# Altium PCB AMDC_uAMDC_Overlay.PcbDoc (part 4 of 6)
Units mil, origin at the board's own origin, x right, y up, seen from the top; angles counter-clockwise.
Board outline 4335 x 5120 mil, 6 copper layers (Top Layer, Int1 (GND), Int2 (Sign), Int3 (Sign), Int4 (PWR), Bottom Layer), stack 55.468 mil thick; 396 components, 471 nets, 2094 pads, 683 vias.
Unrouted connection lines stored in the file: 618.
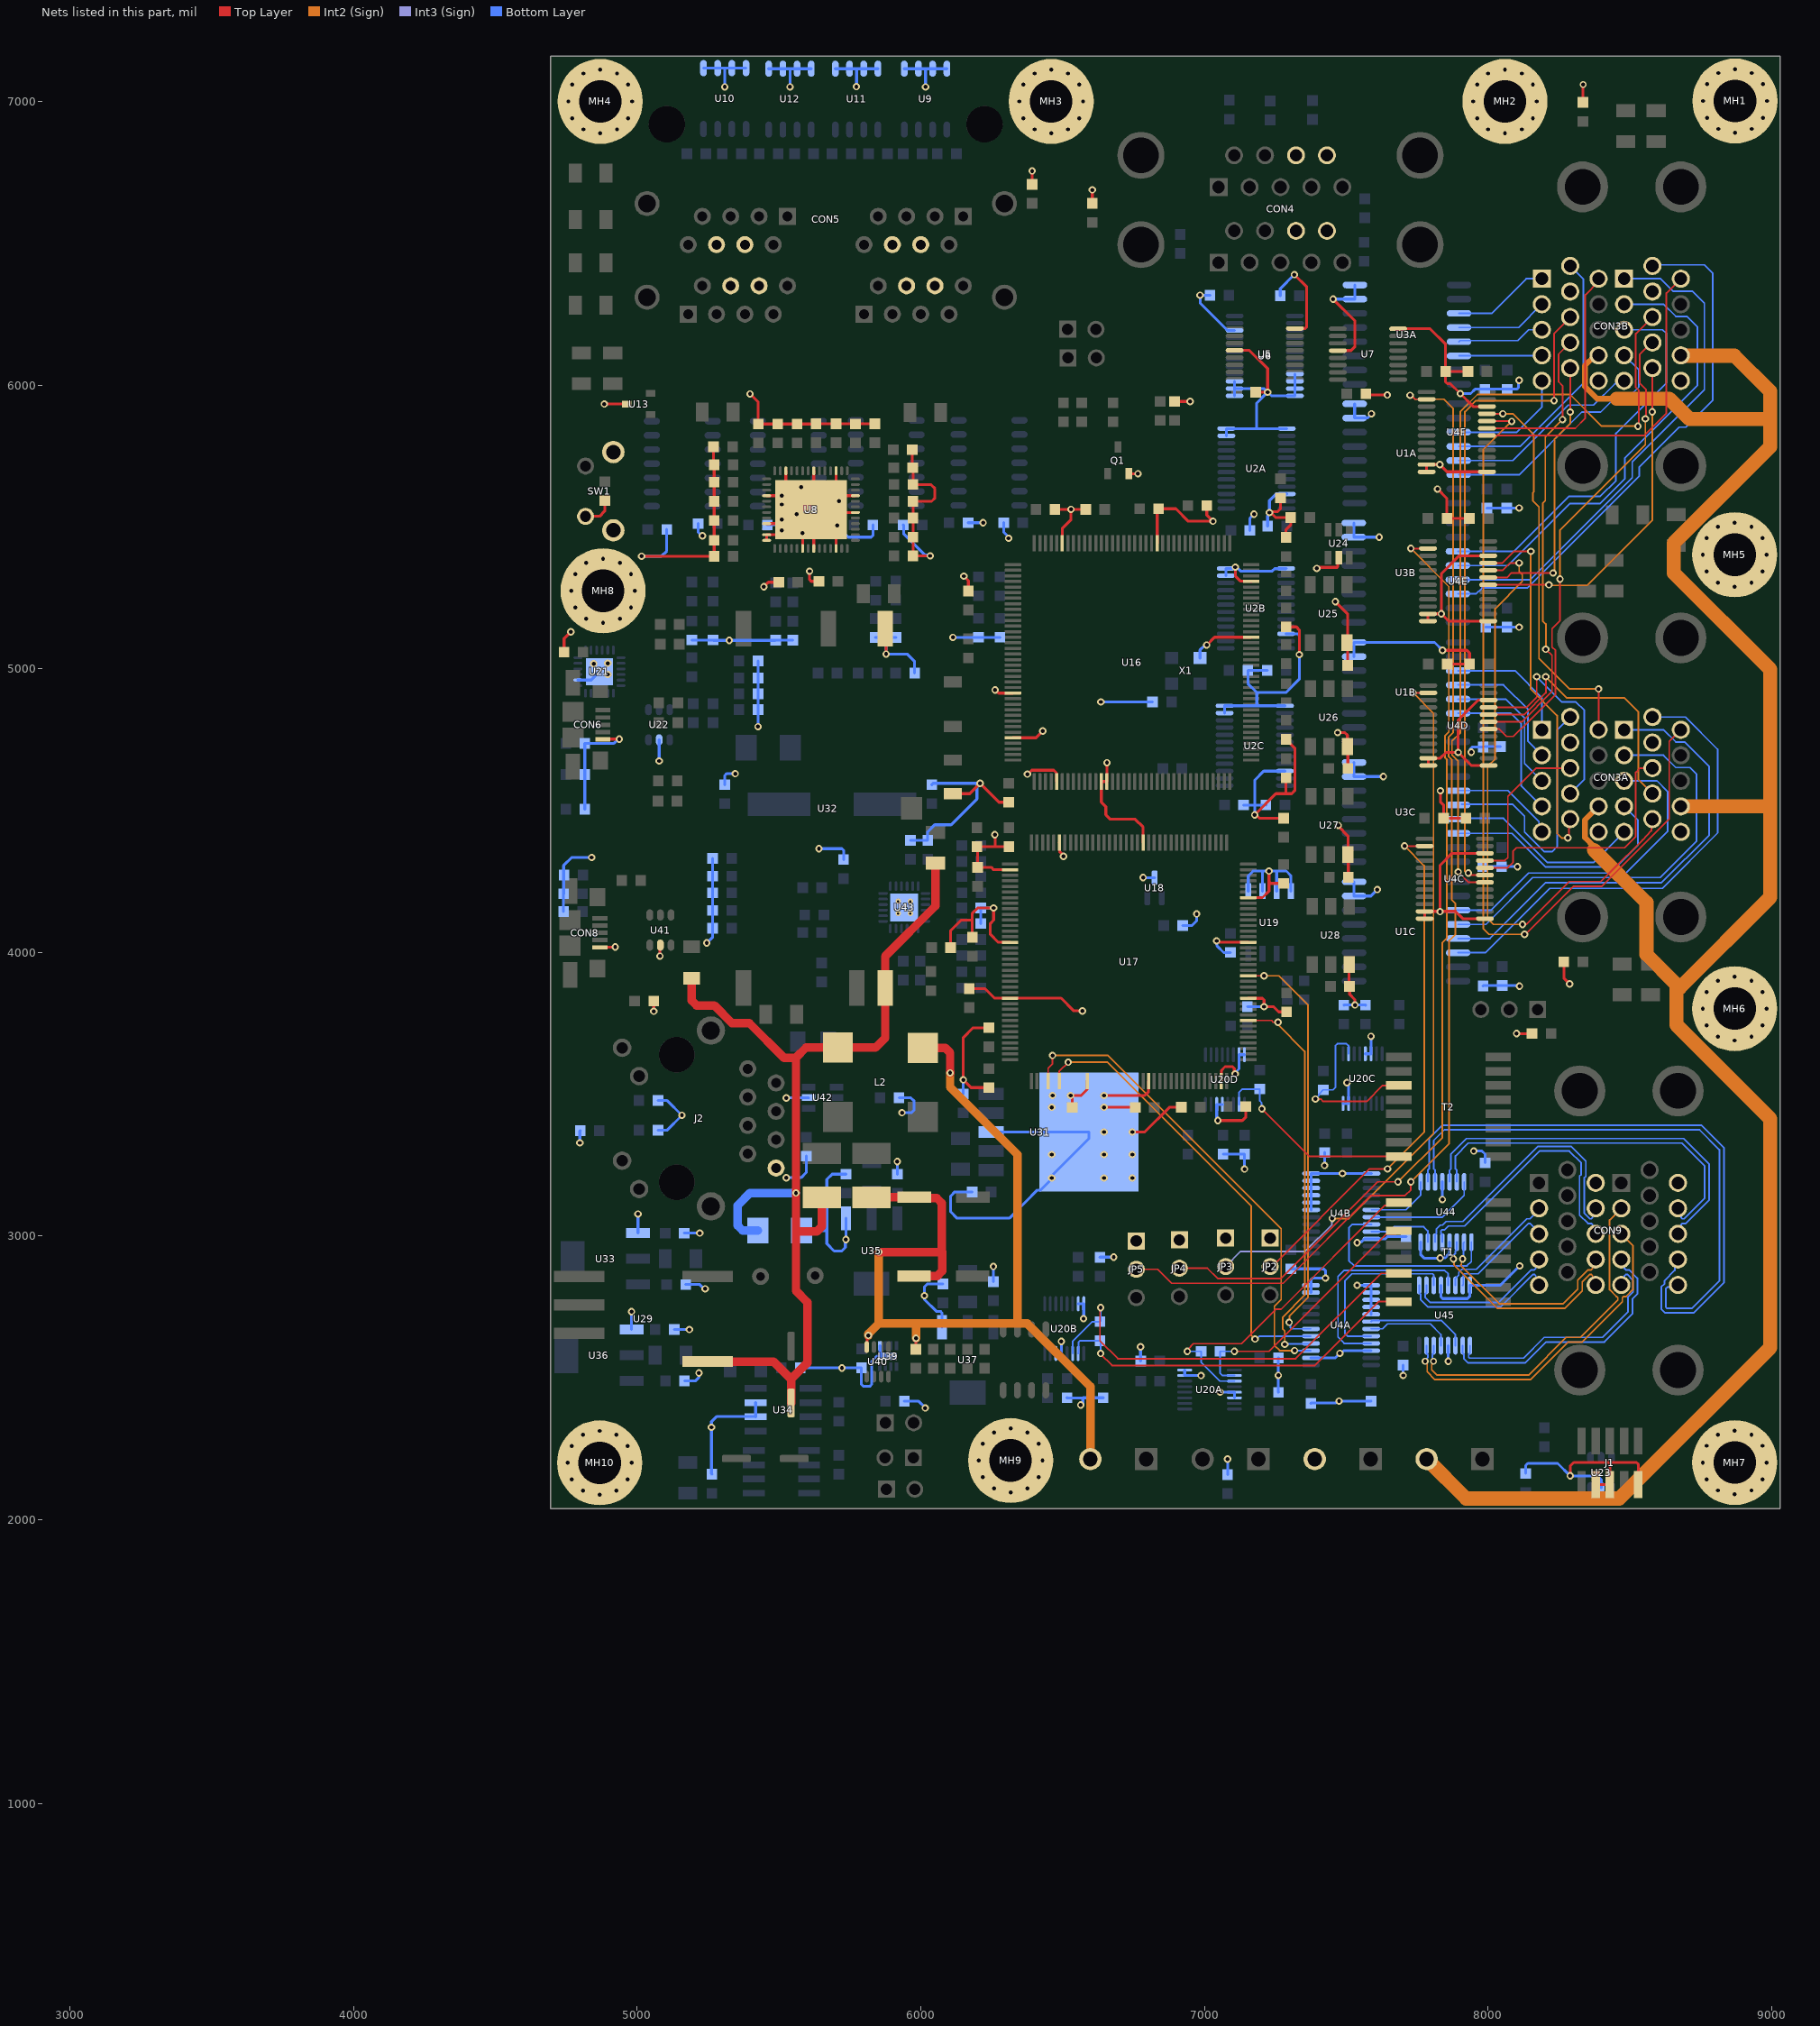
[diagram p7: the nets of this part, all layers, seen from the top]

## Via types
v1: diameter 26, hole 14, Top Layer to Bottom Layer, tented both sides, 326 vias
v2: diameter 26, hole 14, Top Layer to Bottom Layer, 288 vias
v3: diameter 24, hole 14, Top Layer to Bottom Layer, 57 vias
v4: diameter 24, hole 14, Top Layer to Bottom Layer, tented both sides, 5 vias
v5: diameter 19.68, hole 7.87, Top Layer to Bottom Layer, 4 vias
v6: diameter 60, hole 20, Top Layer to Bottom Layer, tented both sides, 3 vias

## Nets (pads, with @x,y where several pads share a name; then routed paths per layer and width w, separated by ;. In a path a pad name is that pad's centre, name@x,y a point inside that pad or via, vN(x,y) a via of type N, cw(c..) or ccw(c..) an arc to the next point about the centre after c; other vN are vias at no path point) (continued)
GND: C1A.2 C1B.2 C1C.2 C2A.2 C2B.2 C2C.2 C3A.2 C3B.2 C3C.2 C4A.1 C4B.1 C4C.1 C5A.2 C5B.2 C5C.2 C6A.2 C6B.2 C6C.2 C7A.2 C7B.2 C7C.2 C7D.2 C7E.2 C7F.2 C8A.2 C8B.2 C8C.2 C8D.2 C8E.2 C8F.2 C9.1 C10.1 C11.2 C12.2 C13.2 C14.2 C15.2 C16.2 C17.2 C18.2 C19.2 C20.2 C21.2 C22.2 C23.2 C24.2 C25.2 C26.2 C27.2 C28.2 C29.2 C30.2 C31.2 C32.2 C33.2 C34.2 C35.2 C36A.2 C36B.2 C37A.1 C37B.1 C38A.2 C38B.2 C39A.2 C39B.2 C40A.2 C40B.2 C41A.1 C41B.1 C42A.2 C42B.2 C43A.2 C43B.2 C45.2 C46.2 C48.2 C49.2 C52.2 C53.2 C54.2 C57.2 C58.2 C59.2 C68.2 C69.2 C70.2 C71.1 C72.1 C73.1 C74.1 C75.1 C76.1 C77.1 C78.1 C79.1 C80.1 C81.1 C82.1 C83.1 C96A.1 C96B.1 C96C.1 C96D.1 C97A.1 C97B.1 C97C.1 C97D.1 C98.2 C99.2 C100.2 C101.1 C102.1 C103.1 C104.1 C105.1 C106.2 C107.1 C108.1 C109.1 C110.1 C111.2 C123.2 C124.2 C125.2 C127.1 C128.2 C129.2 C131.2 C132.2 C133.2 C134.2 C135.2 C136.2 C138.1 C139.2 C140.1 C141.1 C144.2 C145.2 C146.2 C147.1 C148.1 C149.1 C150.1 C151.1 C152.2 C153.1 C154.1 C155.1 C156.1 C157.1 C158.2 C159.2 C160.2 CON2.2 CON3A.7A CON3A.7B CON3A.15A CON3A.15B CON3B.7A CON3B.7B CON3B.15A CON3B.15B CON4.8B CON4.8T CON4.9B CON4.9T CON5.4A CON5.4B CON5.4C CON5.4D CON5.6A CON5.6B CON5.6C CON5.6D CON6.5 CON8.5 CON9.11A CON9.11B J1.3 J1.5 J1.9 J2.8 JP2.1 JP3.1 JP4.1 JP5.1 LED6.C MH1.1 MH2.1 MH3.1 MH4.1 MH5.1 MH6.1 MH7.1 MH8.1 MH9.1 MH10.1 Q1.2 R1A.2 R1B.2 R16.2 R33.1 R41.2 R42.2 R49A.1 R49B.1 R49C.1 R49D.1 R52.2 R61.1 R70.1 R83.2 R93.2 R94.1 R99.1 R100.1 R102.1 R107.1 SW1.2 SW1.SH TP4.1 U1A.7 U1A.8 U1B.7 U1B.8 U1C.7 U1C.8 U2A.11 U2A.12 U2A.13 U2A.22 U2B.11 U2B.12 U2B.13 U2B.22 U2C.11 U2C.12 U2C.13 U2C.22 U3A.7 U3A.8 U3B.7 U3B.8 U3C.7 U3C.8 U4A.2 U4A.11 U4A.12 U4A.13 U4A.14 U4A.15 U4A.16 U4A.17 U4A.22 U4B.7 U4B.8 U4B.9 U4B.10 U4B.11 U4B.12 U4B.13 U4B.22 U4C.11 U4C.12 U4C.13 U4C.22 U4D.11 U4D.12 U4D.13 U4D.22 U4E.11 U4E.12 U4E.13 U4E.22 U4F.11 U4F.12 U4F.13 U4F.22 U5.8 U5.12 U6.9 U6.10 U6.11 U6.12 U6.13 U6.14 U6.15 U6.22 U7.8 U7.12 U8.3 U8.7 U8.12 U8.18 U8.23 U8.25 U8.26 U8.32 U8.34 U8.38 U8.46 U8.49 U8.53 U9.5 U9.6 U9.7 U9.8 U10.5 U10.6 U10.7 U10.8 U11.5 U11.6 U11.7 U11.8 U12.5 U12.6 U12.7 U12.8 U13.3 U16.5 U16.13 U16.14 U16.59 U16.69 U16.86 U16.103 U16.132 U16.140 U17.16 U17.31 U17.38 U17.51 U17.61 U17.83 U17.94 U17.107 U17.120 U17.130 U17.138 U18.3 U19.1 U19.2 U19.3 U19.4 U20A.7 U20A.8 U20A.13 U20A.14 U20B.7 U20B.8 U20B.13 U20B.14 U20C.7 U20C.8 U20C.13 U20C.14 U20D.7 U20D.8 U20D.13 U20D.14 U21.2 U21.25 U22.2 U23.2 U24.2 U25.6 U26.6 U27.6 U28.6 U31.3 U31.6 U32.4 U33.1 U34.2 U34.3 U35.1 U36.1 U37.1 U39.5 U39.9 U41.2 U42.2 U43.25 U44.4 U44.8 U44.12 U45.4 U45.8 U45.12 X1.2 | length 33624.1
  Top Layer w10: R52.2@4742.54,5059 4742.54,5106.33 v1(4766.2,5130) ; SW1.2@4818,5537.42 4867.42,5537.42 4886,5556 C104.1@4886,5592.54 ; CON8.5@4868.86,4017.8 4869.59,4018.54 4922.06,4018.54 v1(4922.79,4019.27) ; CON6.5@4879.31,4751.54 4879.66,4751.88 v1(4937,4751.88) v1@4937.34,4752.22 ; v1(4884.47,5933.44) U13.3@4963.24,5933.44 ; v1(5016,5396.79) C16.2@5271.54,5396.79 C20.2@5271.54,5452.73 C21.2@5271.54,5523 C33.2@5271.54,5590.53 C32.2@5271.54,5658 C25.2@5271.54,5719 5269.54,5721 C26.2@5269.54,5783 ; R83.2@5058.46,3829 5058.79,3828.67 v1(5058.79,3792.47) ; v1(5080.53,3987) 5080.53,4024.38 U41.2@5082,4025.85 ; v1(5398,5968.87) 5427.09,5939.78 C18.2@5427.09,5862.82 C19.2@5496,5862.82 C15.2@5563.79,5862.82 5630.23,5862.82 C17.2@5631,5863.59 C14.2@5701.58,5863.59 5768.73,5863.59 C23.2@5769.5,5862.82 5770.27,5863.59 C29.2@5838,5863.59 ; v1(5446.89,5289.25) 5462.64,5305 C22.2@5499.54,5305 ; U8.26@5456.5,5452.73 U8.25@5456.5,5472.42 5524.42,5472.42 U8.53@5563.79,5511.79 ; U8.23@5456.5,5511.79 U8.53@5563.79,5511.79 ; U8.18@5456.5,5610.21 U8.53@5563.79,5610.21 ; U8.12@5524.42,5697.81 5524.42,5649.58 U8.53@5563.79,5610.21 ; U8.32@5583.47,5424.19 v1(5583.47,5477.83) U8.53@5583.47,5531.47 ; v1(5608,5344) 5608,5314.11 5613.86,5308.25 C27.2@5641.23,5308.25 ; U8.34@5622.84,5424.19 U8.53@5622.84,5551.16 ; U8.7@5622.84,5697.81 U8.53@5622.84,5570.84 ; U8.38@5701.58,5424.19 5701.58,5472.42 U8.53@5622.84,5551.16 ; U8.3@5701.58,5697.81 5701.58,5649.58 U8.53@5662.21,5610.21 ; U8.46@5769.5,5551.16 U8.53@5622.84,5551.16 ; U8.49@5769.5,5610.21 U8.53@5662.21,5610.21 ; U32.4@5874.69,5141.46 5878,5138.16 v1(5878,5052) ; C35.2@5970.34,5772 5970.34,5710.13 C34.2@5971.46,5709 5972.8,5707.66 C24.2@5972.8,5649.58 5973.27,5649.12 6035.94,5649.12 6050,5635.06 6050,5602.24 6038.28,5590.53 C28.2@5972.8,5590.53 C13.2@5972.8,5531.47 C31.2@5972.8,5464 C30.2@5972.8,5398 v1(6033.17,5398) ; R42.2@6105.46,4017 6105.46,4076.55 6105.15,4076.86 6142.36,4114.07 6182,4114.07 ; TP4.1@6112.67,4559.97 6172.5,4559.97 v1(6209,4596.46) 6275.93,4529.54 C52.2@6310,4529.54 ; v1(6152.25,5326.51) 6168,5310.76 C45.2@6168,5274.46 ; C76.1@6171,3872.43 6226.16,3872.43 6259.63,3838.97 U17.61@6314.71,3838.97 6401.65,3838.97 6495.08,3838.97 6540.05,3794 v1(6570,3794) ; C75.1@6182,4054 6182,4114.07 ; C77.1@6240,3523.54 6177.46,3523.54 v1(6150,3551) 6150,3699.86 6184.78,3734.64 C68.2@6240,3734.64 ; v1(6261.09,4415.03) 6262,4414.12 6262,4372.78 ; v1(6262,4925) 6264.33,4925 6275.01,4914.31 U16.132@6325,4914.31 ; C73.1@6311,4372.78 6262,4372.78 ; U17.51@6314.71,4035.82 6273.47,4035.82 6245.43,4063.86 6245.43,4102.46 6257.04,4114.07 v1(6257.04,4157) 6200.76,4157 6182,4138.24 6182,4114.07 ; U17.38@6314.71,4291.72 6257.11,4291.72 6248.63,4300.21 C74.1@6200.76,4300.21 6200.76,4370.07 C70.2@6198.05,4372.78 6262,4372.78 ; U16.140@6325,4756.83 6406.11,4756.83 v1(6430.11,4780.83) ; v1(6376.08,4628.6) 6377.49,4628.6 6391.33,4642.44 6468.91,4642.44 6478.82,4632.53 6478.82,4603.02 U16.5@6479.33,4602.5 ; v1(6392.73,6755) 6392.73,6707.73 R33.1@6393,6707.46 ; C59.2@6473.43,5562.14 v1(6530,5562.14) ; U17.31@6488.72,4387 6489.24,4386.49 6489.24,4356.88 6503,4343.11 v1(6503,4338.78) ; U16.103@6499.02,5442.66 6499.02,5494.52 6530,5525.5 v1(6530,5562.14) ; C78.1@6534,3454 6534,3485.41 6528.09,3491.31 6532.42,3495.64 6565.46,3495.64 6586.64,3516.82 6586.64,3546.33 U17.83@6587.15,3546.84 ; C53.2@6581.57,5562.14 v1(6530,5562.14) ; R16.2@6605,6640.46 v1(6605,6688) ; v1(6646.2,3454) C79.1@6756.54,3454 ; v1(6646.2,3495.64) 6789.37,3495.64 6803.17,3509.45 6803.17,3546.33 U17.94@6803.69,3546.84 ; v1(6656.5,4669) U16.14@6656.5,4602.5 U16.13@6636.81,4602.5 6636.81,4529.86 6652.68,4513.99 6652.68,4485.28 6668.56,4469.41 6756.43,4469.41 6784,4441.84 U17.16@6784,4387 ; Q1.2@6733.4,5687.51 v1(6766,5687.51) ; v1(6746,3367) 6789.42,3367 6876.52,3454.09 C69.2@6918.54,3454.09 ; U16.86@6833.66,5442.66 6833.66,5559.2 C48.2@6838.46,5564 6899.58,5564 6943.58,5520 v1(7030.51,5520) 7008.46,5542.05 C54.2@7008.46,5575 ; LED6.C@6894.88,5942.46 v1(6949.87,5942.46) ; v1(7008.33,5083.58) 7035.91,5111.17 U16.59@7165.16,5111.17 ; v1(7043.15,4040.87) 7047.48,4040.87 7052.53,4035.82 U17.130@7154.87,4035.82 ; v1(7047.48,3407.44) 7133.65,3407.44 7146.46,3420.26 C80.1@7146.46,3457 ; U17.107@7059.59,3546.84 7060.1,3547.35 7060.1,3584.38 7073,3597.28 7099.27,3597.28 7105.63,3590.91 7105.63,3574.75 v1(7108.69,3571.68) ; U5.12@7106.7,6122.8 7158.53,6122.8 7223,6058.32 v1(7223,5975) C9.1@7181.46,5975 ; v1(7109.17,5358.4) 7109.17,5327.7 7128.34,5308.53 7164.65,5308.53 U16.69@7165.16,5308.02 ; U17.120@7154.87,3838.97 7155.38,3838.46 7204.49,3838.46 7210.35,3832.6 v1(7210.35,3808.93) 7243.71,3808.93 7262.1,3790.54 C81.1@7290,3790.54 ; U17.138@7154.87,4193.3 7204.81,4193.3 7228.14,4216.63 7228.14,4250.73 ; v1(7228.14,4287) 7228.14,4250.73 ; v1@7232.75,5551.76 7251.5,5533 C111.2@7304.54,5533 7304.54,5507.22 7288.08,5490.75 7288.08,5462.99 C58.2@7288,5462.91 ; v1@7232.75,5553.55 7257.25,5553.55 7268.7,5565 C106.2@7268.7,5602.54 ; C82.1@7280,4243.54 7235.33,4243.54 7228.14,4250.73 ; C83.1@7280,4473.46 7193.87,4473.46 7182.03,4485.3 v1(7177.7,4485.3) 7252.34,4559.94 7284,4559.94 ; C46.2@7288,4615.59 7288,4563.94 7284,4559.94 ; C49.2@7288,4751.54 7319,4720.54 7319,4570.94 7308,4559.94 7284,4559.94 ; R41.2@7288,5147.54 7324.34,5147.54 7335,5136.88 v1(7335,5050) ; v1(7317.43,6389.55) 7360.86,6346.12 7360.86,6205.42 7355.14,6199.7 7319.43,6199.7 U5.8@7319.3,6199.57 ; v1(7396.57,5353.75) 7400.9,5353.75 7404.57,5357.42 7467.93,5357.42 7469.84,5359.34 7469.84,5388.1 U24.2@7473.78,5392.05 ; v1(7454,6303) 7531,6226 7531,6135.65 7517.14,6121.8 U7.12@7470.7,6121.8 ; v1(7462,5237) 7504.85,5194.15 7504.85,5093.2 U25.6@7503.34,5091.69 7504.85,5090.19 C107.1@7504.85,5012.05 ; v1(7470,4775) 7495.4,4775 7504.34,4766.05 U26.6@7504.34,4725.69 7505.85,4724.19 C108.1@7505.85,4649.05 ; v1(7472.38,4447.87) 7472.38,4444.87 7506.34,4410.91 U27.6@7506.34,4345.69 7507.85,4344.19 C109.1@7507.85,4265.05 ; U28.6@7510.34,3957.69 7510.34,3881.56 7512.32,3879.58 7512.32,3852.21 7530.47,3834.07 7530.47,3815.53 v1(7531,3815) ; C10.1@7569.39,5969.54 7573.92,5965 v1(7645,5965) ; U7.8@7683.3,6198.57 7796.04,6198.57 7850.63,6143.98 C8F.2@7850.63,6047.98 ; U4C.12@7776.7,4119.25 U4C.11@7776.7,4144.84 7885.16,4144.84 7910.75,4119.25 U4C.13@7989.3,4119.25 ; U4F.12@7783.7,5694.25 U4F.11@7783.7,5719.84 v1(7830,5719.84) 7855.59,5694.25 U4F.13@7996.3,5694.25 ; U4E.12@7788.4,5168.09 U4E.11@7788.4,5193.69 v1(7835.63,5193.69) ; U4D.12@7789.7,4659.25 U4D.11@7789.7,4684.84 7832.37,4684.84 7852.79,4705.26 v1(7895,4705.26) ; v1(7821.87,5633.46) 7855.33,5600 C8E.2@7855.33,5529.94 7933.77,5529.94 C7E.2@7934.07,5530.24 ; v1(7831,4143.97) 7831,4307.24 7873.33,4349.57 U4C.22@7989.3,4349.57 ; v1(7832.37,4570) 7832.37,4531.09 7843.46,4520 C8C.2@7843.46,4473 C7C.2@7922.37,4473 ; v1(7840,5065) 7925.37,5065 7935.37,5055 C7D.2@7935.37,5016.83 C8D.2@7856.63,5016.83 ; C7F.2@7929.37,6047.98 C8F.2@7850.63,6047.98 ; U4F.22@7996.3,5924.57 7948.07,5924.57 v1(7902.63,5970.01) 7867.36,6005.28 7856.49,6005.28 7850.63,6011.13 C8F.2@7850.63,6047.98 ; U4E.13@8001,5168.09 7861.22,5168.09 v1(7835.63,5193.69) ; U4E.22@8001,5398.41 7898.64,5398.41 7835.63,5335.4 v1(7835.63,5193.69) ; U4D.13@8002.3,4659.25 7941.01,4659.25 v1(7895,4705.26) ; U4D.22@8002.3,4889.57 7965.15,4889.57 7895,4819.42 v1(7895,4705.26) ; v1(8101,3714) R107.1@8155.54,3714 ; R1A.2@8267.54,3967 8267.54,3909.46 v1(8288,3889) ; v1(8290,2155) 8290,2189.31 8302.76,2202.07 8430,2202.07 ; R1B.2@8335,6996.46 v4(8335,7059.06) ; J1.3@8380,2124.23 J1.5@8430,2124.23 8430,2202.07 ; J1.9@8530,2124.23 8530,2196.21 8524.14,2202.07 8430,2202.07 ; U8.53@5563.79,5511.79 U8.53@5583.47,5531.47 ; U8.53@5563.79,5610.21 U8.53@5613,5561 ; U8.53@5583.47,5531.47 U8.53@5613,5561 ; U8.53@5613,5561 U8.53@5622.84,5570.84 ; U8.53@5613,5561 U8.53@5622.84,5551.16 ; U8.53@5622.84,5570.84 U8.53@5662.21,5610.21
  Bottom Layer w10: C146.2@4740.54,4144 4740.54,4206.87 C145.2@4740.66,4207 4740.66,4306.66 4769,4335 v1(4840,4335) ; U21.2@4791.37,4960.26 4837.63,4960.26 U21.25@4867.16,4989.79 ; v1(4798,3329) 4798,3370.46 R102.1@4799.54,3372 ; C103.1@4815.59,4505 C102.1@4815.59,4627 4815.72,4627.13 C101.1@4815.72,4737.22 4918.55,4737.22 4933.55,4752.22 v1@4937.34,4752.22 ; U36.1@4980.31,2670.55 v1(4980.31,2734) ; U33.1@5003.16,3010.55 v1(5003.16,3078) ; v1(5016,5396.79) 5086.25,5396.79 5104.46,5415 C38A.2@5104.46,5491 ; R100.1@5073.46,3373 5105,3373 v1(5158,3426) 5106,3478 R99.1@5073.46,3478 ; U22.2@5077.4,4749.78 U22.2@5077.61,4749.57 v1(5077.61,4675) ; C135.2@5130.67,2670.55 v1(5184,2670.55) ; C129.2@5166.26,3010.55 v1(5220.67,3010.55) ; C132.2@5167.09,2489.45 5205.42,2489.45 5218,2502.03 v1(5218,2517.7) ; C128.2@5171.18,2829.45 5220.67,2829.45 5235.67,2814.45 v1(5240,2814.45) ; C36A.2@5192.75,5101.41 C39A.2@5267.75,5101.41 5269.16,5100 v1(5325,5100) 5486.59,5100 5488,5101.41 C36B.2@5488.75,5100.66 C39B.2@5548.75,5100.66 ; C37A.1@5215.54,5512 5215.54,5480.54 5227.59,5468.48 v1(5230.5,5468.48) ; U10.5@5234,7117.28 U10.6@5284,7117.28 5309,7117.28 ; v1(5245.46,4033.46) 5266.41,4054.41 C157.1@5266.41,4085 C156.1@5266.41,4148 C155.1@5266.41,4210 C154.1@5266.41,4269 C150.1@5266.41,4332 ; C138.1@5264,2160.46 5262,2162.46 5262,2346.14 5279.86,2364 5416.76,2364 U34.2@5417.76,2363 U34.3@5417.76,2413 ; C152.2@5309,4591.46 5309,4624.14 5314.86,4630 v1(5346,4630) ; v1(5309,7051) 5309,7117.28 ; U10.8@5384,7117.28 U10.7@5334,7117.28 5309,7117.28 ; v1(5426.34,4796) C100.2@5426.34,4855.94 C99.2@5426.34,4912 C98.2@5426.34,4966.94 C127.1@5426.34,5028 ; C38B.2@5459.18,5507.21 5490.16,5507.21 v1(5509.38,5526.43) ; U12.5@5464,7115.28 U12.6@5514,7115.28 5539,7115.28 ; v1(5526,3206) 5578.04,3206 5596.54,3224.5 C148.1@5596.54,3281.95 ; v1(5526,3486.9) 5526.55,3487.45 5604.24,3487.45 U42.2@5604.79,3488 ; v1(5539,7051) 5539,7115.28 ; v1(5563.06,5545.25) 5563.06,5518.68 C37B.1@5574.54,5507.21 ; C131.2@5575.46,2536 5575.93,2535.54 v1@5721.6,2535.54 ; C123.2@5580.48,3020 5669.01,3020 ; U12.8@5614,7115.28 U12.7@5564,7115.28 5539,7115.28 ; v1(5641,4366) 5722.14,4366 5728,4360.14 R94.1@5728,4327.46 ; U11.5@5699,7115.28 U11.6@5749,7115.28 5774,7115.28 ; v1(5705.27,5505.88) 5705.27,5503.31 5744.58,5464 5825.47,5464 5831.33,5469.86 C41A.1@5831.33,5507 ; v1(5722.24,2534.89) v1@5721.6,2535.54 ; U35.1@5736.18,3062.79 v1(5736.18,2988) 5734,2985.82 5734,2960 5721.63,2947.63 5694.84,2947.63 5669.01,2973.46 5669.01,3020 ; C134.2@5736.18,3218.59 5687.45,3218.59 5669.01,3200.16 5669.01,3020 ; v1(5773,7052) 5774,7053 5774,7115.28 ; C40A.2@5840,5110.41 5878,5110.41 ; U11.8@5849,7115.28 U11.7@5799,7115.28 5774,7115.28 ; U39.5@5855.47,2614.2 5856.38,2613.3 5856.38,2587.71 U39.9@5867.09,2577 ; U39.9@5885,2577 U39.9@5867.09,2577 ; C42A.2@5913,5110.41 5878,5110.41 ; C133.2@5917.28,3218.59 v1(5917.28,3262.88) ; C147.1@5923.46,3488 5964.87,3488 5977,3475.87 5977,3445.04 5966.97,3435 v1(5934,3435) ; C43A.2@5938.54,5507 5939.34,5506.2 5939.34,5476.79 6015.85,5400.28 6030.89,5400.28 v1(6033.17,5398) ; U9.5@5942,7115.28 U9.6@5992,7115.28 6017,7115.28 ; C140.1@5942.46,2418 5992.89,2418 6016,2394.89 v1(6016,2394) ; C151.1@5963.65,4395.62 C153.1@6024.68,4395.62 6024.68,4425.5 6049.18,4450 6107.05,4450 6198.05,4541 v1@6198.05,4596.46 ; R70.1@5978.46,4985 5978.46,5025.54 5952,5052 v1(5878,5052) 5878,5110.41 ; v1(6017,7051) 6017,7115.28 ; C158.2@6039,4591.46 6044,4596.46 v1@6198.05,4596.46 ; U37.1@6075.18,2678.79 6075.18,2728.98 6069.32,2734.83 6054.74,2734.83 6013,2776.58 v1(6013,2790.13) 6013,2821.66 6022.8,2831.46 C139.2@6078,2831.46 ; U9.8@6092,7115.28 U9.7@6042,7115.28 6017,7115.28 ; v1(6113.31,5110.87) C40B.2@6204,5110.87 C42B.2@6279,5110.87 ; C124.2@6150,3501.46 v1(6150,3551) ; C41B.1@6166.9,5515 v1(6220,5515) ; C125.2@6181.07,3156 6120.47,3156 6105,3140.53 6105,3086 6128,3063 6312.15,3063 6370,3120.85 6411.47,3162.32 6423,3162.32 6458.07,3197.39 6458.07,3208.93 6593,3343.85 U31.6@6593,3367 U31.3@6248,3367 ; v1(6209,4596.46) v1@6198.05,4596.46 ; R93.2@6211.46,4102 C149.1@6211.46,4157 v1(6257.04,4157) ; C136.2@6256.28,2839.34 v1(6256.28,2893.24) ; C43B.2@6292.54,5515 6292.54,5481.3 6310,5463.83 v1(6310,5460) ; U20B.14@6476.47,2586.4 U20B.13@6496.16,2586.4 6496.16,2628.74 v1(6495.83,2629.06) ; R49B.1@6515.84,2430.41 6516.72,2429.54 6571.82,2429.54 ; U20B.7@6555.21,2761.6 U20B.8@6574.9,2761.6 6574.9,2709.9 v1(6574,2709) ; v1(6564.15,2405) 6565.96,2405 6571.82,2410.86 6571.82,2429.54 ; C96B.1@6632,2925.46 6632.34,2925.8 v1(6680.35,2925.8) ; v1(6635,4883) C57.2@6817.54,4883 ; C97B.1@6643.12,2430.41 6572.69,2430.41 6571.82,2429.54 ; v1(6775.21,2609.68) 6775.21,2560.07 C96A.1@6775.54,2559.75 ; v1(6784,4263.89) U18.3@6824.43,4263.89 ; C71.1@6923.46,4095 6956.52,4095 6972.79,4111.28 v1(6972.79,4135.93) ; U20A.8@6930.8,2528.37 U20A.7@6930.8,2508.68 v1(6988.54,2508.68) ; X1.2@6985,5038 6985,5066.25 7002.33,5083.58 v1(7008.33,5083.58) ; C12.2@7019.54,6317 v1(6985,6317) 6985.54,6316.46 6985.54,6289 7081.98,6192.57 U6.22@7106.7,6192.57 ; v1(7043.15,4040.87) 7044.83,4039.2 7044.83,4022.95 7068.24,3999.54 C72.1@7092,3999.54 ; v1(7047.48,3407.44) 7047.48,3411.77 7043.47,3415.78 U20D.14@7043.47,3464.4 U20D.13@7063.16,3464.4 ; v1(7055.14,2449.97) 7055.48,2449.63 U20A.13@7106,2449.63 U20A.14@7106,2429.94 ; R49D.1@7066.16,3289.41 C97D.1@7141.9,3289.41 7141.57,3289.09 v1(7141.57,3236.34) ; U2C.11@7071.4,4844 U2C.12@7071.4,4869.59 7185,4869.59 ; U2B.11@7075.7,5328.16 U2B.12@7075.7,5353.75 7100.88,5353.75 7105.53,5358.4 v1(7109.17,5358.4) 7113.49,5358.4 7127.38,5344.51 7239.63,5344.51 7247.76,5352.65 7287.2,5352.65 U2B.13@7288.3,5353.75 ; U2A.11@7077.7,5821.16 U2A.12@7077.7,5846.75 7184.25,5846.75 ; R61.1@7082,2159.46 v1(7082,2214) ; U6.13@7106.7,5962.25 U6.14@7106.7,5987.84 ; U6.15@7106.7,6013.43 U6.14@7106.7,5987.84 ; v1(7108.69,3571.68) 7108.69,3576.01 7122.21,3589.53 U20D.7@7122.21,3639.6 U20D.8@7141.9,3639.6 ; C4C.1@7138.33,4519.75 7177.7,4519.75 ; C96D.1@7152,3808.59 7152.34,3808.93 v1(7210.35,3808.93) ; U19.1@7155,4216 7155,4269.85 7172.15,4287 7200.15,4287 ; C4A.1@7160.46,5488 7160.46,5530.46 v1(7175,5545) ; v1(7177.7,4485.3) 7177.7,4519.75 ; U19.2@7205,4216 7205,4282.15 7200.15,4287 ; C1C.2@7217.07,4519.75 7177.7,4519.75 ; C1B.2@7221.66,4994 C4B.1@7153.59,4994 7153.59,4947.97 7185,4916.56 ; C1A.2@7223.37,5502.75 7223.37,5539.84 7229.69,5546.16 v1(7229.69,5550.49) 7229.69,5593.12 7253,5616.43 U2A.22@7290.3,5616.43 ; v1@7224.11,5975 7236.86,5962.25 U6.12@7319.3,5962.25 U6.11@7319.3,5987.84 U6.10@7319.3,6013.43 U6.9@7319.3,6039.02 ; U19.3@7255,4216 7255,4287 ; R49A.1@7261.34,2449.63 7261.01,2449.95 v1(7261.01,2509.02) 7261.01,2570.52 C97A.1@7261.34,2570.84 ; C11.2@7267.54,6315 7267.54,6339.65 v1(7317.43,6389.55) ; U2C.22@7284,4639.28 7209.28,4639.28 7177.7,4607.7 7177.7,4519.75 ; U2C.13@7284,4869.59 7185,4869.59 ; U2B.22@7288.3,5123.43 7329.14,5123.43 7335,5117.58 v1(7335,5050) 7335,4962.97 7288.59,4916.56 7185,4916.56 ; U2A.13@7290.3,5846.75 7184.25,5846.75 ; C8B.2@7305,2884.54 7421.14,2884.54 7427,2878.68 v1(7427,2852) 7381.56,2852 7375.7,2846.14 U4A.12@7375.7,2826.75 U4A.11@7375.7,2801.16 ; U19.4@7305,4216 7305,4271 7289,4287 7255,4287 ; C8A.2@7375.7,2410.66 7377.04,2412 7464.23,2412 7470.67,2418.44 7588.09,2418.44 C7A.2@7588,2418.54 ; U4A.2@7375.7,2570.84 7461.84,2570.84 v1(7478,2587) 7482.33,2587 7491.76,2596.43 U4A.22@7588.3,2596.43 ; U4B.7@7376.7,3092.8 U4B.8@7376.7,3118.39 U4B.9@7376.7,3143.98 U4B.10@7376.7,3169.57 U4B.11@7376.7,3195.16 U4B.12@7376.7,3220.75 v1(7486.99,3220.75) U4B.13@7589.3,3220.75 ; v1(7424,3249) C96C.1@7424,3294.66 ; v1(7454,6303) U3A.7@7531,6303 U3A.8@7531,6353 ; U20C.8@7489.1,3467.68 U20C.7@7508.79,3467.68 7508.79,3535.08 v1(7502.74,3541.13) ; C97C.1@7492.07,3814.46 7492.61,3815 v1(7531,3815) 7567.3,3815 R49C.1@7567.84,3814.46 ; U3B.8@7527,5514 U3B.7@7527,5464 v1(7616.43,5464) ; U3C.8@7528,4670 U3C.7@7528,4620 v1(7631,4620) ; U1B.7@7528,5043 U1B.8@7528,5093 7812,5093 v1(7840,5065) ; U1C.8@7528.07,4249 U1C.7@7528.07,4199 7587.13,4199 v1(7609.74,4221.61) ; U1A.8@7530,5934 U1A.7@7530,5884 7575,5884 7589.06,5898.06 v1(7589.06,5898.98) ; v1(7538.52,2826.75) U4A.13@7588.3,2826.75 U4A.14@7588.3,2801.16 U4A.15@7588.3,2775.57 U4A.16@7588.3,2749.98 U4A.17@7588.3,2724.39 ; v1(7538.52,2976.71) 7541.58,2979.77 7553.46,2979.77 7564.12,2990.43 7637.75,2990.43 7645.62,2998.31 C7B.2@7711.25,2998.31 ; U20C.13@7567.84,3642.87 U20C.14@7587.53,3642.87 v1(7587.53,3704.45) ; v1(7701,2509) C160.2@7701,2545.66 ; U44.8@7762.43,2978.7 7762.43,2935.17 7775,2922.6 7830.9,2922.6 7832.92,2924.62 7849.27,2924.62 7864.8,2940.14 U44.4@7864.8,2978.7 ; U45.4@7834.23,2826.59 7834.23,2785.86 7840.09,2780 7927.9,2780 7935.49,2787.59 7935.49,2825.49 U45.8@7936.59,2826.59 8043.5,2826.59 8080.28,2863.36 v1(8112,2895.08) ; v1(7839.2,3129) U44.12@7839.2,3191.3 ; v1(7859.82,2559) U45.12@7859.82,2613.99 ; v1(7902.63,5970.01) 7939.18,5970.01 7954.71,5985.54 C3A.2@7989,5985.54 C2A.2@8068,5985.54 8101.7,5985.54 8107.56,5991.39 8107.56,6014.62 v1(8110,6017.06) ; v1(7941,4706) 7937.98,4709.02 7937.98,4717.31 7944.86,4724.19 7944.86,4724.54 C2C.2@7983,4724.54 7984,4725.54 C3C.2@8044,4725.54 ; v1(7950,3300) 7978.98,3300 7990,3288.98 C159.2@7990,3258.46 ; C5A.2@7981,4302.54 C6A.2@8048,4302.54 8104,4302.54 v1(8104.2,4302.35) ; C5C.2@7983,3882.07 7984.34,3883.41 C6C.2@8050,3883.41 8109,3883.41 v1(8111.25,3881.16) ; C5B.2@7992,5146.54 v1(8110,5146.54) ; C3B.2@7996,5566.66 7996.13,5566.54 C2B.2@8066,5566.54 8066.13,5566.66 v1(8110,5566.66) ; C105.1@8133,2163.46 8133,2191.31 8140.69,2199 8246,2199 v1(8290,2155) 8385,2155 8399,2141 U23.2@8399,2113.85 ; v1@5721.6,2535.54 C141.1@5791,2535.54 5791,2477.11 5796.86,2471.25 5821.3,2471.25 5827.16,2477.11 5827.16,2558.4 5845.76,2577 U39.9@5867.09,2577 ; U6.14@7106.7,5987.84 7209.14,5987.84 7221.98,5975 7221.98,5973.98 7184.25,5936.25 7184.25,5846.75 ; 7185,4869.59 7185,4916.56 ; 7200.15,4287 v1(7228.14,4287) 7255,4287